# KiCad board yeti.kicad_pcb (continued)
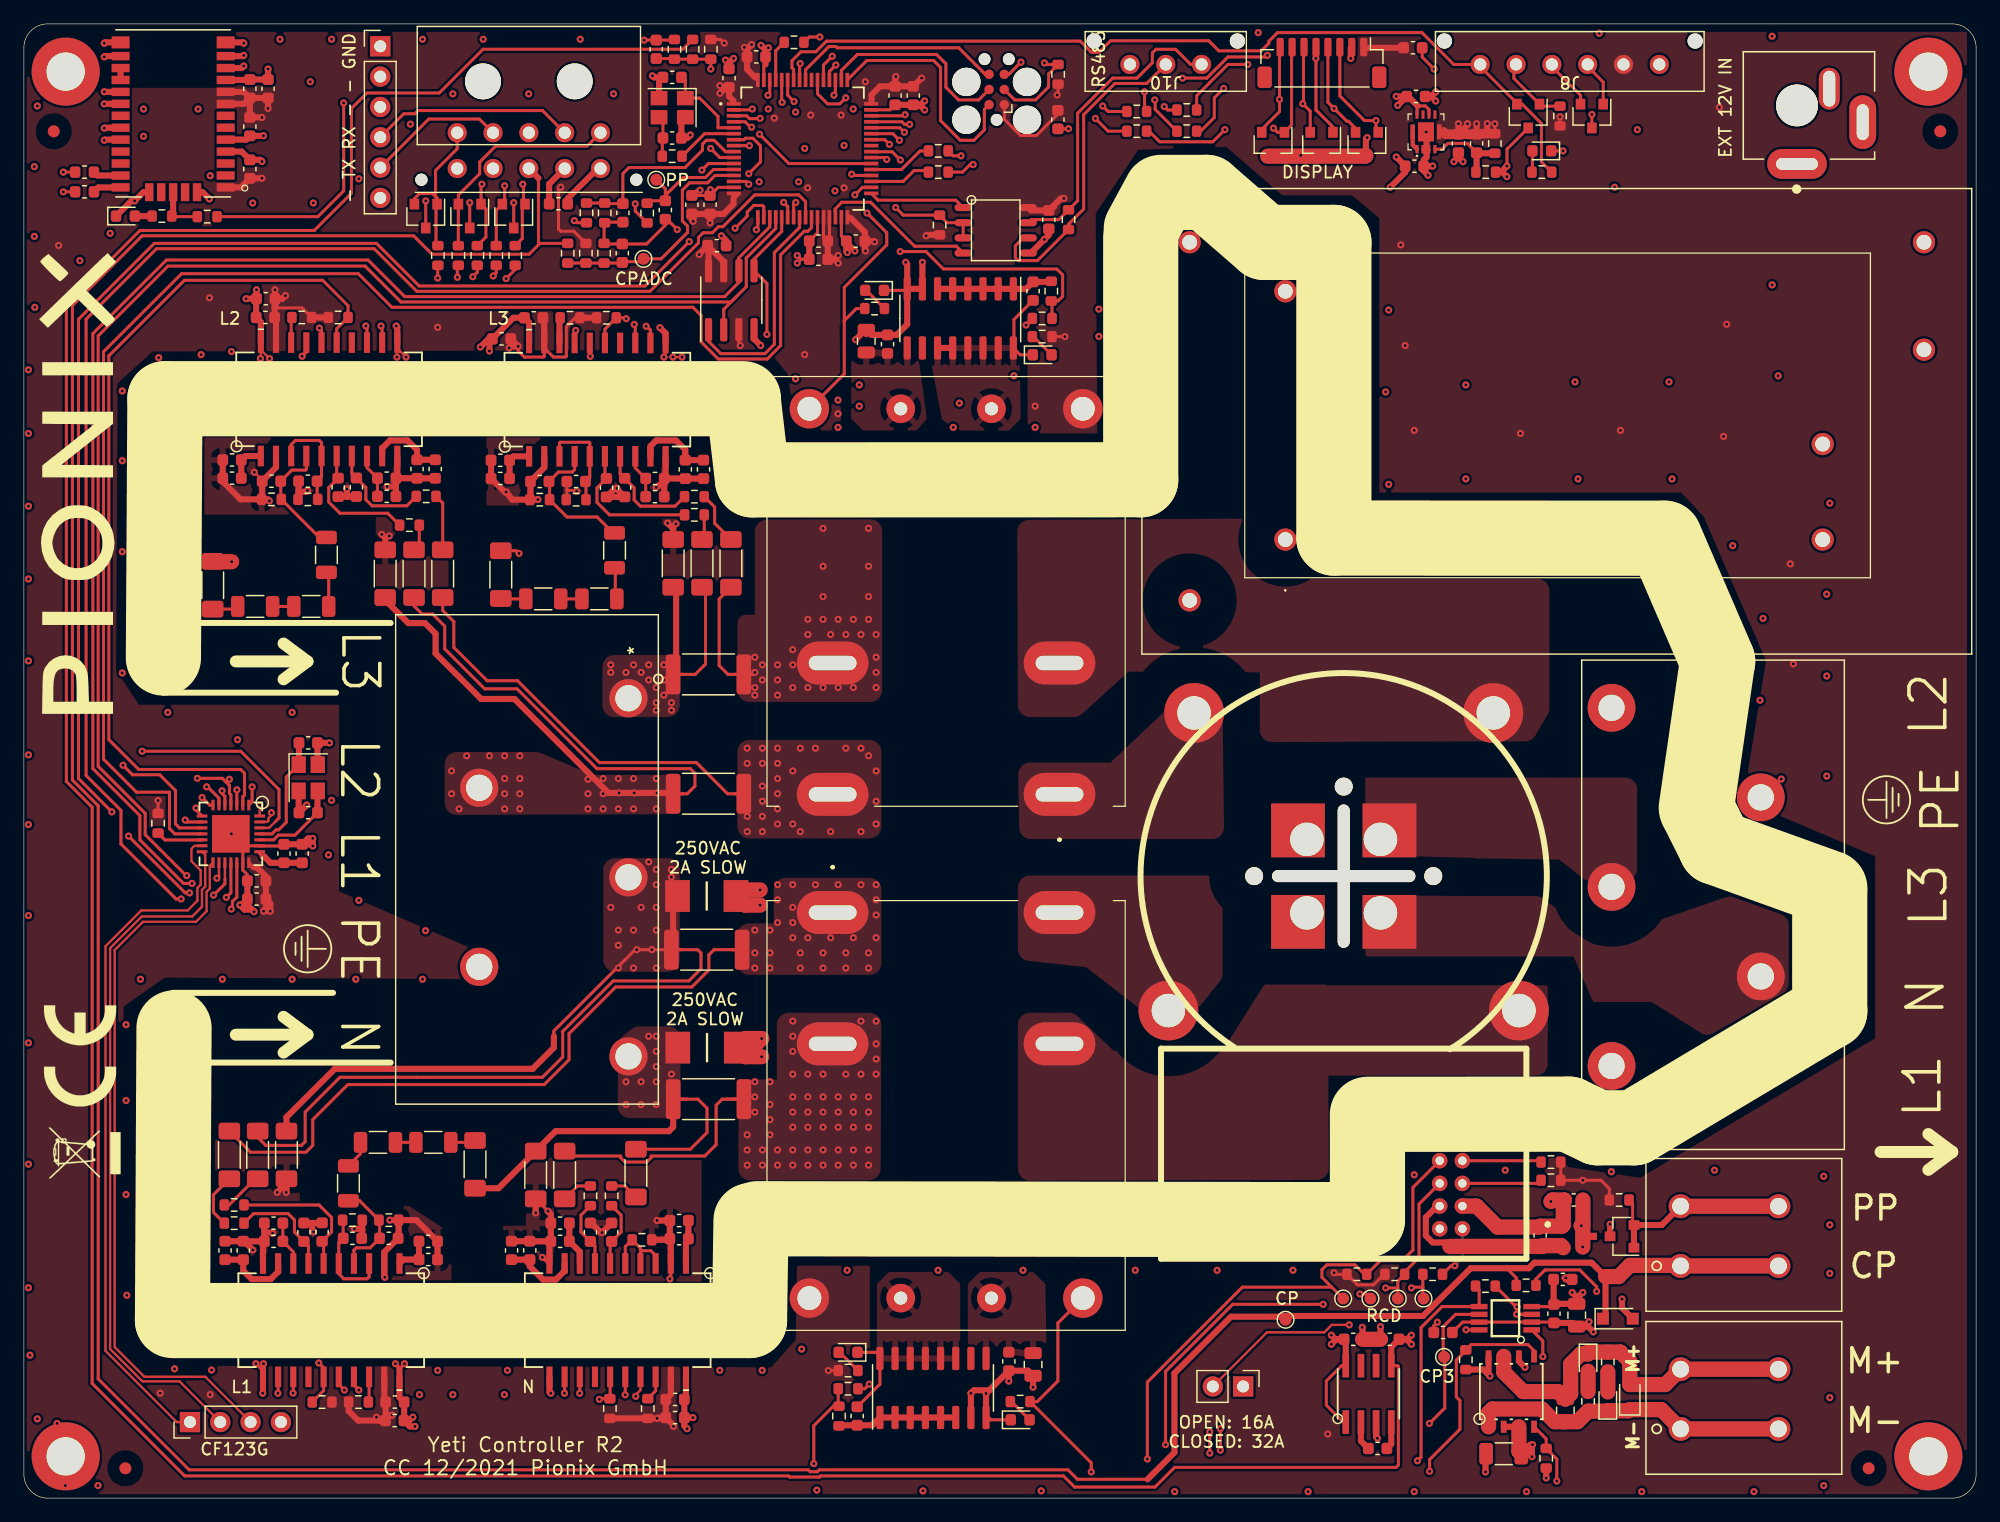
[diagram p0: board, top side]
## Routing (per net, layer and track width the routed paths; a pad name or vN(x,y) marks a point on that pad's centre or on a via; arc(x,y) is an arc through that point) (continued)
/Power Meter/Neutral AFE/DATA: length 99.1
  1_F_TOP_Signal_Pwr w0.254: U10.9 13.67,56.65 v1(13.51,56.81) ; U12.15 49.1,8.36 R49.1 48.25,8.33 v1(48.2,8.28)
  7_Signal_Pwr w0.254: v1(13.51,56.81) 6.58,49.88 6.58,11.15 11.11,6.63 11.37,6.63 12.8,5.2 22.09,5.2 23.52,6.63 28.8,6.63 30.07,5.36 45.28,5.36 v1(48.2,8.28)
/Power Meter/Neutral AFE/IM: length 5.5
  1_F_TOP_Signal_Pwr w0.254: R48.2 50.02,23.7 50.02,22.29 C22.2 49.23,21.24 49.1,21.11 U12.6
/Power Meter/Neutral AFE/IP: length 5.7
  1_F_TOP_Signal_Pwr w0.254: U12.7 47.83,21.12 C21.1 46.65,22.29 46.65,23.7 R47.2
/Power Meter/Neutral AFE/VT: length 98.7
  1_F_TOP_Signal_Pwr w0.192: U12.17 51.64,9.05 51.25,8.66 v1(51.25,8.53)
  1_F_TOP_Signal_Pwr w0.254: v1(14.42,57.81) 14.42,57.65 U10.8
  5_Signal_Pwr w0.254: v1(51.25,8.53) 50.36,7.64 31.78,7.64 31.59,7.83 30.99,7.83 30.8,7.64 10.35,7.64 7.01,10.98 7.01,49.38 13.81,56.19 13.87,56.19 14.42,56.73 v1(14.42,57.81)
/Power Meter/RESET_EN: length 189.7
  1_F_TOP_Signal_Pwr w0.254: v1(24.75,98.02) 24.93,97.84 U13.16 ; U10.3 v1(17.84,59.33) ; U14.16 47.44,96.73 v1(47.44,95.65) ; U11.16 26.37,9.53 v1(26.85,9.05) ; U12.16 50.37,8.67 v1(50.36,8.66)
  5_Signal_Pwr w0.254: v1(47.44,95.65) 46.33,95.65 44.68,97.3 23.98,97.3 ; v1(50.36,8.66) 49.34,9.67 29.61,9.67 28.29,8.35 27.55,8.35 v1(26.85,9.05) 26.42,9.48 9.28,9.48 7.54,11.22 7.54,16.5 7.45,16.58 7.45,48.95 v1(17.84,59.33) 17.84,60.61 17.21,61.23 13.14,61.23 7.05,67.33 7.05,95.27 9.08,97.3 23.98,97.3 ; 23.98,97.3 24.7,98.02 v1(24.75,98.02)
/Power Meter/SYNC: length 186.7
  1_F_TOP_Signal_Pwr w0.254: v1(29.91,98.19) 30.01,98.1 U13.12 ; U12.12 45.29,8.8 v1(45.28,8.78) ; U14.12 52.47,97.85 52.16,98.16 ; v1(16.6,59.26) 16.6,59.02 16.84,58.79 U10.5 ; v1(21.27,8.78) 21.29,8.8 U11.12
  7_Signal_Pwr w0.254: 52.16,98.16 51.05,97.05 46.74,97.05 46.71,97.02 46.04,97.02 45.76,97.3 29.02,97.3 ; 21.02,7.89 21.27,8.15 v1(21.27,8.78) ; 21.02,7.89 10.61,7.89 7.05,11.46 7.05,49.28 16.6,58.83 v1(16.6,59.26) 10.56,65.3 10.48,65.3 7.22,68.55 7.22,92.91 11.62,97.3 19.37,97.3 19.82,96.86 28.57,96.86 29.02,97.3 ; 21.02,7.89 44.9,7.89 45.28,8.28 v1(45.28,8.78) ; 29.02,97.3 v1(29.91,98.19)
  vias: v1(52.12,98.16)
/Power Supplies/L: length 100.7
  1_F_TOP_Signal_Pwr w1.27: v1(61.66,49.68) 60.4,49.68 F1.1 60.15,50.95 v1(61.66,50.95)
  7_Signal_Pwr w1.27: 101.22,96.67 97.63,100.26 PS3.2 ; 101.22,96.67 101.22,86.32 96.27,81.36 80.01,81.36 75.06,76.41 75.06,53.3 74.42,52.66 62.49,52.66 61.66,51.84 v1(61.66,49.68) ; 101.22,96.67 PS3.2
/Power Supplies/N: length 91.4
  1_F_TOP_Signal_Pwr w1.27: v1(61.79,36.98) 60.43,36.98 F2.1 60.43,38.5 v1(61.79,38.5) 60.9,37.61
  7_Signal_Pwr w1.27: 94.27,78.06 81.79,78.06 78.36,74.63 78.36,46.31 73.28,41.23 62.1,41.23 61.79,40.91 v1(61.79,38.5) v1(61.79,36.98) ; 94.27,78.06 94.78,78.06 PS3.1 ; 94.27,78.06 103.41,78.06 PS3.1
/Power Switch Relais/L1_OUT: length 0.9
  1_F_TOP_Signal_Pwr w3: K2.8 87.64,49.06
/Power Switch Relais/RELAIS1: length 7
  1_F_TOP_Signal_Pwr w0.254: C93.1 69.8,7.65 71.69,9.55 71.69,11.89 71.37,12.21 D12.1
/Power Switch Relais/RELAIS2: length 7.8
  1_F_TOP_Signal_Pwr w0.254: C91.1 82.92,98.73 82.92,96.4 U27.16 83.44,95.78 D13.1
  1_F_TOP_Signal_Pwr w0.508: U27.12 U27.11
/RCD_AC_ERROR: length 286.8
  1_F_TOP_Signal_Pwr w0.254: U29.4 116.84,24.63 116.84,20.15 115.63,18.94 R131.2 115.06,18.18 115.06,17.61 ; 115.06,17.61 v1(114.05,17.61) ; 115.06,17.61 TP3.1 ; v1(100.2,4.02) v1(100.2,5.82) ; U16.4 60.4,115.3 60.86,114.84 v1(60.94,114.84)
  5_Signal_Pwr w0.254: v1(100.2,5.82) 101.14,6.75 102.94,6.75 108.88,12.7 108.88,13.9 111.45,16.47 112.9,16.47 v1(114.05,17.61) ; v1(60.94,114.84) 58.39,114.84 55.69,112.15 55.69,109.25 51.69,105.24 35.05,105.24 32.63,102.82 10.89,102.82 4.71,96.64 4.71,11.1 11.87,3.94 62.33,3.94 64.63,6.23 92.81,6.23 95.22,3.82 96.06,3.82 96.63,4.39 99.84,4.39 v1(100.2,4.02)
/RCD_DC_ERROR: length 299.7
  1_F_TOP_Signal_Pwr w0.254: v1(61.66,115.58) 61.63,115.56 60.77,115.56 60.53,115.8 U16.3 ; R130.2 126.8,26.37 U29.3 ; TP9.1 112.4,17.1 v1(111.89,17.1) ; v1(99.31,5.54) v1(99.31,3.77)
  5_Signal_Pwr w0.254: v1(99.31,3.77) 96.64,3.77 96.24,3.37 95.04,3.37 92.62,5.79 64.82,5.79 62.52,3.49 11.69,3.49 4.26,10.91 4.26,96.82 10.7,103.26 32.31,103.26 34.8,105.75 51.56,105.75 55.12,109.3 55.12,112.34 58.36,115.58 v1(61.66,115.58) ; v1(99.31,5.54) 99.31,5.8 100.71,7.2 102.75,7.2 108.44,12.88 108.44,14.09 111.45,17.1 v1(111.89,17.1) 111.89,17.36 113.92,19.39 118.73,19.39 121.54,22.2 121.54,25.3 U29.3
/RCD_PWM: length 288.8
  1_F_TOP_Signal_Pwr w0.254: U16.38 64.07,111.8 v1(61.61,114.26) ; v1(108.82,16.24) 101.24,16.24 95.62,10.61 v1(95.62,4.48) ; v1(116.21,17.61) 116.27,17.67 117.16,17.67 ; R132.1 117.16,17.67 ; 117.16,17.67 117.16,16.78 TP8.1
  5_Signal_Pwr w0.254: v1(61.61,114.26) 61.31,113.96 60.5,113.96 58.55,112 58.55,109.29 57.77,108.51 55.58,108.51 51.74,104.67 35.11,104.67 32.82,102.37 11.07,102.37 5.16,96.45 5.16,11.28 12.06,4.38 62.15,4.38 64.45,6.68 93.42,6.68 v1(95.62,4.48)
  7_Signal_Pwr w0.254: v1(108.82,16.24) 114.83,16.24 v1(116.21,17.61)
/RCD_TEST: length 296.6
  1_F_TOP_Signal_Pwr w0.254: 109.54,17.67 108.71,18.5 108.71,19.13 109.13,19.55 111.47,19.55 112.27,18.75 112.46,18.75 113.6,19.9 115.44,19.9 116.33,20.78 116.33,26.02 U29.2 ; 109.54,17.67 102.05,17.67 94.09,9.72 v1(94.09,3.27) ; 109.54,17.67 TP4.1 ; v1(61.01,116.37) 60.94,116.3 U16.2
  5_Signal_Pwr w0.254: v1(61.01,116.37) 56.98,116.37 54.48,113.88 54.48,109.43 51.31,106.26 34.03,106.26 31.49,103.71 10.52,103.71 3.82,97.01 3.82,10.73 11.5,3.04 62.7,3.04 65,5.34 92.02,5.34 v1(94.09,3.27)
/SCK: length 120.2
  1_F_TOP_Signal_Pwr w0.2: U10.17 16.84,51.84
  1_F_TOP_Signal_Pwr w0.254: U16.19 62.47,106.49 59.88,103.91 U3.6 59.88,101.85 58.68,100.65 31.9,100.65 28.83,103.72 11.94,103.72 5.78,97.55 5.78,61.11 9.71,57.18 9.71,55.14 13.36,51.49 v1(14.08,51.49) ; 16.84,51.84 16.84,51.47 v1(15.89,50.52)
  5_Signal_Pwr w0.254: v1(14.08,51.49) 15.06,50.52 v1(15.89,50.52)
/ZC: length 87.6
  1_F_TOP_Signal_Pwr w0.192: U10.26 20.54,56.15 21.07,56.68
  1_F_TOP_Signal_Pwr w0.254: v1(9.91,62.57) 18.16,62.57 21.37,59.36 21.37,56.98 21.07,56.68 ; v1(37.59,102.32) 37.97,102.7 R2.2
  5_Signal_Pwr w0.254: v1(9.91,62.57) 6.05,66.43 6.05,95.92 9.53,99.4 26.77,99.4 26.99,99.18 27.65,99.18 27.87,99.4 34.67,99.4 v1(37.59,102.32)
Net-(C5-Pad2): length 4
  1_F_TOP_Signal_Pwr w0.254: U10.22 19.75,54 20,53.74
  1_F_TOP_Signal_Pwr w0.508: 20,53.74 20.13,53.74 20.65,53.22 C6.2 C5.2
Net-(C7-Pad2): length 11
  1_F_TOP_Signal_Pwr w0.192: 22.13,60.56 Y1.1
  1_F_TOP_Signal_Pwr w0.254: U10.25 20.78,55.65 21.12,55.99 21.35,55.99 21.97,56.61 21.97,60.4 Y1.1
  1_F_TOP_Signal_Pwr w0.508: Y1.1 23.04,61.47 C7.2
Net-(C8-Pad2): length 7.6
  1_F_TOP_Signal_Pwr w0.254: U10.24 20.91,55.15 21.31,55.54 22.7,55.54 C8.2
  1_F_TOP_Signal_Pwr w0.508: C8.2 24.59,59.22 Y1.3
Net-(C13-Pad2): length 3.7
  1_F_TOP_Signal_Pwr w0.254: C16.2 C13.2 22.56,20.63 U11.8
Net-(C14-Pad2): length 6.6
  1_F_TOP_Signal_Pwr w0.508: U11.9 21.29,18.96 20.68,18.35 19.07,18.35 18.37,19.05 C14.2 C17.2
Net-(C15-Pad2): length 3.3
  1_F_TOP_Signal_Pwr w0.508: U11.1 31.78,19.99 C15.2 C18.2
Net-(C23-Pad2): length 3.7
  1_F_TOP_Signal_Pwr w0.508: C26.2 C23.2 46.56,20.64 U12.8
Net-(C24-Pad2): length 6.4
  1_F_TOP_Signal_Pwr w0.508: C27.2 C24.2 42.37,19.42 43.48,18.31 44.56,18.31 45.29,19.04 U12.9
Net-(C25-Pad2): length 3.7
  1_F_TOP_Signal_Pwr w0.508: C28.2 C25.2 55.45,21.53 U12.1
Net-(C35-Pad2): length 3.7
  1_F_TOP_Signal_Pwr w0.254: C38.2 C35.2 28.74,86.32 U13.8
Net-(C36-Pad2): length 6.5
  1_F_TOP_Signal_Pwr w0.508: U13.9 30.01,87.95 30.66,88.61 32.13,88.61 32.93,87.81 C36.2 C39.2
Net-(C37-Pad2): length 3.3
  1_F_TOP_Signal_Pwr w0.508: C40.2 C37.2 18.54,87.3 U13.1
Net-(C47-Pad2): length 3.7
  1_F_TOP_Signal_Pwr w0.254: C50.2 C47.2 51.2,86.29 U14.8
Net-(C48-Pad2): length 7.3
  1_F_TOP_Signal_Pwr w0.508: C51.2 C48.2 55.39,87.82 54.61,88.6 52.96,88.6 52.47,88.12 U14.9 52.47,87.9
Net-(C49-Pad2): length 3.3
  1_F_TOP_Signal_Pwr w0.508: C52.2 C49.2 41.01,87.27 U14.1
Net-(C70-Pad2): length 7.5
  1_F_TOP_Signal_Pwr w0.254: U16.5 58.13,114.8 58.13,115.75 56.6,117.28 Y2.1 55.39,118.69 C70.2
Net-(C71-Pad2): length 3.4
  1_F_TOP_Signal_Pwr w0.254: R84.1 53.47,113.89 C71.2 53.52,115.35 Y2.3
Net-(C78-Pad1): length 27.4
  1_F_TOP_Signal_Pwr w1.27: C78.1 128.84,6.4 ; C78.1 130.12,6.4 R100.1 132.62,7.28 D39.1 134.4,7.32 D1.1 137.13,7.42 J4.1 J4.2 ; C78.1 128.2,6.4 127.14,7.46 122.98,7.46 122.67,7.15 U25.1
Net-(C78-Pad2): length 31.2
  1_F_TOP_Signal_Pwr w1.27: J4.4 J4.3 137.47,9.52 D1.2 134.49,11.45 133.71,12.24 R101.1 131.04,12.24 D38.1 131,12.09 130.4,12.09 129.54,11.23 129.54,8.75 C78.2 128.47,8.93 125.57,8.93 123.94,10.56 U25.7
Net-(C83-Pad2): length 7.2
  1_F_TOP_Signal_Pwr w0.254: PS1.4 118.77,113 119.26,113.49 120.89,113.49 C83.2
  1_F_TOP_Signal_Pwr w0.508: R14.2 121.72,112.66 C83.2 121.67,111.15 R15.1
Net-(C91-Pad2): length 9.8
  1_F_TOP_Signal_Pwr w0.508: U27.6 U27.5 U27.4 U27.3 U27.2 U27.1 83.93,101.3 C91.2 85.99,101.89 R28.1
Net-(C93-Pad2): length 10.1
  1_F_TOP_Signal_Pwr w0.508: U9.6 U9.2 U9.1 71.04,6.1 C93.2 68.31,6.1 R27.1
Net-(C109-Pad1): length 2.5
  1_F_TOP_Signal_Pwr w0.508: C109.1 111.98,4.78 U28.2
Net-(C109-Pad2): length 2.4
  1_F_TOP_Signal_Pwr w0.508: U28.4 114.52,4.53 C109.2
Net-(D2-Pad1): length 8.2
  1_F_TOP_Signal_Pwr w0.254: v1(38.36,110.07) 38.29,110 D2.1 38.7,107.99 38.7,105.64 R2.1
  7_Signal_Pwr w0.254: U1.5 37.61,110.07 v1(38.36,110.07)
Net-(D2-Pad2): length 18.9
  1_F_TOP_Signal_Pwr w0.254: D2.2 36.39,109.16 38.17,110.94 38.17,111.92 39.52,113.26 47.17,113.26 U1.6 ; R3.1 36.39,108.4
Net-(D3-Pad1): length 28.6
  1_F_TOP_Signal_Pwr w0.254: D3.1 41.84,108.53 41.84,110 v1(41.78,110.07) ; 41.74,108.17 41.74,105.51 R4.1 ; J6.4 31.82,115.97 32.74,115.97 33,116.24 43.44,116.24 U1.7
  7_Signal_Pwr w0.254: U1.7 44.17,113.26 44.17,111.61 42.63,110.07 v1(41.78,110.07)
Net-(D3-Pad2): length 22
  1_F_TOP_Signal_Pwr w0.254: v1(40.26,109.94) 40.26,108.59 D3.2 39.56,107.89 R5.1 ; U1.9 38.15,115.53 33.91,115.53 J6.5
  7_Signal_Pwr w0.254: U1.9 40.53,113.14 40.53,110.21 v1(40.26,109.94)
Net-(D4-Pad1): length 12.5
  1_F_TOP_Signal_Pwr w0.254: D4.1 34.61,108.91 34.48,109.03 ; D4.2 32.71,108.86 33.13,109.29 34.23,109.29 34.48,109.03 ; 34.48,109.03 34.48,111.23 36.29,113.04 U1.10 ; 34.52,105.08 34.52,108.31
Net-(D5-Pad1): length 46.6
  1_F_TOP_Signal_Pwr w0.254: J7.3 110.21,117.46 112.27,115.4 v1(113.24,115.4) 113.24,114.61 ; 77.41,111.08 78.61,111.08 79.38,111.84 v1(79.5,111.72)
  5_Signal_Pwr w0.254: v1(79.5,111.72) 89.03,111.72 92.46,115.15 95.76,115.15 96.14,115.53 106.94,115.53 106.95,115.52 107.69,115.52 107.69,115.53 113.11,115.53 v1(113.24,115.4)
Net-(D5-Pad2): length 42.2
  1_F_TOP_Signal_Pwr w0.254: v1(78.49,112.45) 77.82,112.45 77.41,112.86 ; J7.4 109.21,116.93 v1(109.73,116.41) 110.8,115.34 110.94,115.34 111.53,114.75
  5_Signal_Pwr w0.254: v1(109.73,116.41) 109.59,116.27 109.59,116.24 107.76,116.24 107.76,116.23 107.5,115.97 107.13,115.97 106.86,116.24 96.09,116.24 95.63,115.78 92.23,115.78 88.9,112.45 v1(78.49,112.45)
Net-(D6-Pad1): length 20.7
  1_F_TOP_Signal_Pwr w0.254: 109.63,114.87 108.21,116.29 J7.5 108.21,120.62 v1(108.21,120.61) ; v1(102.5,120.1) 100.84,120.1 99.28,118.54 99.28,118.54 98.22,117.48 R9.1
  5_Signal_Pwr w0.254: v1(108.21,120.61) 107.7,120.1 v1(102.5,120.1)
Net-(D6-Pad2): length 19.7
  1_F_TOP_Signal_Pwr w0.254: v1(100.49,118.09) 99.7,117.31 99.7,115.65 98.55,114.51 R10.1 ; D6.2 107.73,116.18 v1(107.11,116.81) ; J7.6 107.17,121.5 107.17,116.75
  5_Signal_Pwr w0.254: v1(107.11,116.81) 105.8,118.12 102.56,118.12 102.13,117.69 100.94,117.69 100.51,118.12 v1(100.49,118.09)
Net-(D7-Pad1): length 19.9
  1_F_TOP_Signal_Pwr w0.254: R11.1 94.24,114.51 95.12,113.62 99.57,113.62 v1(100.59,114.64) ; J7.7 106.17,121.5 106.17,115.02 D7.1 104.99,114.42 v1(104.65,114.77)
  5_Signal_Pwr w0.254: v1(100.59,114.64) 100.71,114.77 v1(104.65,114.77)
Net-(D7-Pad2): length 21.1
  1_F_TOP_Signal_Pwr w0.254: J7.8 105.16,121.5 105.16,116.15 103.67,114.66 D7.2 ; R12.1 93.85,116.34 v1(93.85,117.81)
  5_Signal_Pwr w0.254: v1(93.85,117.81) 95.63,117.81 96.27,117.18 v1(105.16,117.18)
Net-(D10-Pad2): length 2.2
  1_F_TOP_Signal_Pwr w0.254: R31.1 70.55,101.18 D10.2
Net-(D11-Pad2): length 2.2
  1_F_TOP_Signal_Pwr w0.254: D11.2 82.7,8.09 R32.1
Net-(D12-Pad2): length 2.2
  1_F_TOP_Signal_Pwr w0.254: R33.2 68.33,12.21 D12.2
Net-(D13-Pad2): length 2.2
  1_F_TOP_Signal_Pwr w0.254: D13.2 84.54,97.3 R115.2
Net-(D15-Pad2): length 1.4
  1_F_TOP_Signal_Pwr w0.508: R13.1 D15.2
Net-(D36-Pad2): length 1.8
  1_F_TOP_Signal_Pwr w0.254: D36.2 126.34,111.12 R93.1
Net-(D38-Pad2): length 1.7
  1_F_TOP_Signal_Pwr w1.27: D38.2 R100.2
Net-(D39-Pad2): length 1.7
  1_F_TOP_Signal_Pwr w1.27: R101.2 D39.2
Net-(FB1-Pad1): length 2.1
  1_F_TOP_Signal_Pwr w0.254: R37.2 37.62,29.8 FB1.1
Net-(FB2-Pad1): length 4.6
  1_F_TOP_Signal_Pwr w0.254: R40.1 15.88,23.94 15.88,25.42 FB2.1
Net-(FB4-Pad1): length 3.7
  1_F_TOP_Signal_Pwr w0.254: R41.1 17.19,24.56 19.38,26.75 FB4.1
Net-(FB5-Pad1): length 2.6
  1_F_TOP_Signal_Pwr w0.254: FB5.1 46.37,26.15 R47.1
Net-(FB7-Pad1): length 2.4
  1_F_TOP_Signal_Pwr w0.254: R48.1 50.34,26.15 FB7.1
Net-(FB8-Pad1): length 2.2
  1_F_TOP_Signal_Pwr w0.254: R52.2 17.68,74.47 FB8.1
Net-(FB9-Pad1): length 4.7
  1_F_TOP_Signal_Pwr w0.254: R55.1 35.07,83.36 FB9.1
Net-(FB11-Pad1): length 2.2
  1_F_TOP_Signal_Pwr w0.254: FB11.1 33.12,79.89 R56.1
Net-(FB12-Pad1): length 1.9
  1_F_TOP_Signal_Pwr w0.254: R62.2 40.23,75.33 40.2,75.36
Net-(FB13-Pad1): length 4.5
  1_F_TOP_Signal_Pwr w0.254: FB13.1 57.85,81.67 57.85,83.03 R65.1
Net-(FB15-Pad1): length 2.1
  1_F_TOP_Signal_Pwr w0.254: R66.1 56.98,80.5 FB15.1
Net-(FB16-Pad1): length 2.4
  1_F_TOP_Signal_Pwr w0.508: FB16.1 6.24,109.8 U4.26
Net-(FB17-Pad2): length 2.3
  1_F_TOP_Signal_Pwr w0.508: FB17.2 6.15,110.8 U4.25
Net-(J10-Pad2): length 26.8
  1_F_TOP_Signal_Pwr w0.254: J10.2 94.04,118.51 91.37,118.51 88.76,115.9 88.76,107.98 87.49,106.71 R82.1 84.88,103.67 83.28,103.67 83.03,103.91 83.03,104.92 83.69,105.57 U20.6
Net-(J10-Pad3): length 25.8
  1_F_TOP_Signal_Pwr w0.254: U20.7 84.38,107.1 86.67,107.1 R82.2 88.25,108.68 88.25,116.02 91.19,118.96 93.22,118.96 94.51,120.25 94.51,121.07 94.81,121.37 96.45,121.37 97.72,120.1 J10.3
Net-(PS1-Pad1): length 1.6
  1_F_TOP_Signal_Pwr w0.35: PS1.9 116.31,113.36 PS1.1
Net-(R16-Pad1): length 61.9
  1_F_TOP_Signal_Pwr w0.254: R16.1 24.62,107.35 26.78,109.51 v1(26.78,116.88) ; U16.57 64.97,120.13 v1(65.01,120.18)
  7_Signal_Pwr w0.254: v1(26.78,116.88) 27.62,117.71 33.08,117.71 36.05,120.69 55.36,120.69 57.26,122.59 62.6,122.59 v1(65.01,120.18)
Net-(R17-Pad1): length 3.4
  1_F_TOP_Signal_Pwr w0.254: R17.1 62.97,121.25 U16.61
Net-(R35-Pad2): length 3.9
  1_F_TOP_Signal_Pwr w0.254: U10.12 14.91,55.14 11.81,55.14 R35.2
Net-(R37-Pad1): length 1.7
  1_F_TOP_Signal_Pwr w0.254: R38.2 R37.1
Net-(R38-Pad1): length 2.4
  1_F_TOP_Signal_Pwr w0.254: R39.2 28.19,28.85 R38.1
Net-(R45-Pad1): length 2.1
  1_F_TOP_Signal_Pwr w0.254: U11.18 28.91,8.11 R45.1
Net-(R50-Pad1): length 2.1
  1_F_TOP_Signal_Pwr w0.254: R50.1 52.91,8.99 U12.18
Net-(R52-Pad1): length 1.8
  1_F_TOP_Signal_Pwr w0.254: R52.1 R53.2
Net-(R53-Pad1): length 2.9
  1_F_TOP_Signal_Pwr w0.254: R53.1 25.53,77.36 R54.2
Net-(R60-Pad1): length 2.1
  1_F_TOP_Signal_Pwr w0.254: R60.1 22.39,98.84 U13.18
Net-(R62-Pad1): length 1.6
  1_F_TOP_Signal_Pwr w0.254: 46.61,75.33 44.96,75.33
Net-(R63-Pad1): length 2.7
  1_F_TOP_Signal_Pwr w0.254: 49.53,75.33 49.53,77.74 49.34,77.93
Net-(R70-Pad1): length 2.1
  1_F_TOP_Signal_Pwr w0.508: R70.1 44.85,98.82 U14.18
Net-(R72-Pad2): length 19.4
  1_F_TOP_Signal_Pwr w0.254: R72.2 126.63,18.35 127.4,19.12 130.3,19.12 131.71,17.71 v1(131.71,17.32) ; U15.1 127.21,13.16 v1(127.21,11.85)
  7_Signal_Pwr w0.254: v1(131.71,17.32) 132.48,16.56 132.48,13.89 130.44,11.85 v1(127.21,11.85)
Net-(R84-Pad2): length 5.1
  1_F_TOP_Signal_Pwr w0.254: U16.6 57,114.3 R84.2
Net-(R129-Pad2): length 6.6
  1_F_TOP_Signal_Pwr w0.254: R129.2 126.95,28.27 U29.1
Net-(R132-Pad2): length 4.7
  1_F_TOP_Signal_Pwr w0.254: v1(119.84,19.47) 119.52,19.47 R132.2
  8_B_BOTTOM_GND w0.254: v1(119.84,19.47) 120.47,20.1 U29.7

## Copper pours and planes (outline as drawn; the poured copper is in the pictures)
+3V3 on 1_F_TOP_Signal_Pwr: 162.74,0.33 0.24,0.33 0.24,122.83 162.74,122.83 ; 1 cut-out
+3V3 on 3_VCC3V3, 5_Signal_Pwr, 7_Signal_Pwr: 162.75,0.32 0.25,0.32 0.25,122.82 162.75,122.82 ; 1 cut-out
+12V on 1_F_TOP_Signal_Pwr: 75.76,89.43 69.28,89.43 69.28,96.54 74.61,97.81
+12V on 1_F_TOP_Signal_Pwr: 85.66,11.45 81.47,11.58 81.47,10.43 79.06,10.43 79.06,18.94 85.54,18.94
/Power Meter/AFE_A/AGND_ADC on 1_F_TOP_Signal_Pwr: 23.11,24.47 32.26,24.47 35.81,22.18 35.81,18.25 16,18.25 16,31.71 23.11,31.71
/Power Meter/AFE_A/AGND_ADC on 2_GND: 24.13,24.47 32.26,24.47 36.83,22.18 36.83,18.25 16,18.25 16,36.03 24.13,36.03
/Power Meter/AFE_A/AGND_ADC on 5_Signal_Pwr: 24.13,24.47 32.26,24.47 36.83,22.18 36.83,18.25 16,18.25 16,36.03 24.13,36.03
/Power Meter/AFE_B/AGND_ADC on 1_F_TOP_Signal_Pwr: 35.56,73.62 29.47,73.62 29.47,82.38 15.11,82.38 15.11,88.86 35.56,88.86
/Power Meter/AFE_B/AGND_ADC on 2_GND: 36.96,73.62 29.47,73.62 29.47,81.11 15.11,81.11 15.11,88.73 36.96,88.73
/Power Meter/AFE_B/AGND_ADC on 5_Signal_Pwr: 36.96,73.62 29.47,73.62 29.47,81.11 15.11,81.11 15.11,88.73 36.96,88.73
/Power Meter/AFE_C/AGND_ADC on 1_F_TOP_Signal_Pwr: 57.79,83.9 60.33,81.75 60.33,74.25 53.47,74.25 53.47,83.14 38.74,83.14 38.74,88.86 57.41,88.86
/Power Meter/AFE_C/AGND_ADC on 2_GND: 57.79,83.4 60.96,81.62 60.96,73.62 52.2,73.62 52.2,82 38.74,82 38.74,88.73 57.28,88.86
/Power Meter/AFE_C/AGND_ADC on 5_Signal_Pwr: 57.79,83.4 60.96,81.62 60.96,73.62 52.2,73.62 52.2,82 38.74,82 38.74,88.73 57.28,88.86
/Power Meter/Neutral AFE/AGND_ADC on 1_F_TOP_Signal_Pwr: 56.77,18.12 40.13,18.25 40.13,22.82 42.04,22.82 42.04,30.06 56.77,30.06
/Power Meter/Neutral AFE/AGND_ADC on 2_GND: 57.53,18.12 38.74,18.25 38.74,22.82 40.64,22.82 40.64,32.22 57.53,32.22
/Power Meter/Neutral AFE/AGND_ADC on 5_Signal_Pwr: 57.53,18.12 38.74,18.25 38.74,22.82 40.64,22.82 40.64,32.22 57.53,32.22
GND on 8_B_BOTTOM_GND, 2_GND, 4_GND, 6_GND: 163.25,-0.18 -0.25,-0.18 -0.25,123.32 163.25,123.32 ; 1 cut-out
GND on 3_VCC3V3: 57.28,93.43 57.28,88.86 57.79,83.4 60.96,81.62 60.96,73.62 52.2,73.62 52.2,82 36.96,82 36.96,73.62 29.47,73.62 29.47,82.38 15.11,82.38 15.11,88.73 18.42,93.43
GND on 3_VCC3V3: 24.13,24.47 40.64,24.47 40.64,32.22 57.53,32.22 57.53,18.12 56.9,15.32 16,15.58 16,36.03 24.13,36.03
GND on 3_VCC3V3: 56.58,5.16 54.48,5.16 54.48,7.07 33.66,7.07 33.66,5.16 30.99,5.16 30.99,7.07 24.45,7.07 24.45,5.16 20.58,5.16 20.58,7.7 12.38,10.5 16.13,17.74 24.51,17.74 25.91,15.96 28.45,15.83 56.58,15.58
GND on 3_VCC3V3: 20.19,99.53 32,99.53 32,97.11 39.37,97.11 39.37,95.72 42.17,95.72 42.17,99.65 54.61,99.65 54.61,92.79 18.42,92.79 18.42,101.43 20.19,101.43
GND on 4_GND: 56.9,4.91 54.36,4.91 54.36,6.94 33.78,6.94 33.78,5.04 30.86,5.04 30.86,6.94 24.51,6.94 24.51,5.04 20.45,5.04 20.45,7.58 12.19,10.24 12.19,11.64 22.61,12.02 22.86,14.18 26.67,13.93 27.05,11.9 56.9,11.64
GND on 4_GND: 24.13,24.47 40.64,24.47 40.64,32.22 57.53,32.22 57.53,18.12 56.9,11.51 16,11.77 16,36.03 24.13,36.03
GND on 4_GND: 20.19,99.53 32,99.53 32,97.11 39.37,97.11 39.37,95.84 42.17,95.84 42.17,99.65 54.61,99.65 54.61,92.79 18.42,92.79 18.42,101.43 20.19,101.43
GND on 4_GND: 20.19,99.53 32,99.53 32,95.72 57.28,95.72 57.28,88.86 57.79,83.4 60.96,81.62 60.96,73.62 52.2,73.62 52.2,82 36.96,82 36.96,73.62 29.47,73.62 29.47,82.38 15.11,82.38 15.11,88.73 18.42,95.97 18.42,101.43 20.19,101.43
/EVSE Charging port/L1_IN on 8_B_BOTTOM_GND: 108.85,50.46 108.85,45.26 111.27,42.97 104.03,42.46 102.25,42.72 102.25,50.59 102.5,50.59
/EVSE Charging port/L1_IN on 8_B_BOTTOM_GND: 135.88,35.34 102.31,35.36 102.19,50.58 108.27,50.5 109.22,44.92 117.41,44.79 117.22,50.41 141.16,50.52
/EVSE Charging port/L1_IN on 5_Signal_Pwr: 109.98,45.3 112.14,43.64 104.52,41.61 104.52,50.5 109.98,50.5
/EVSE Charging port/L1_IN on 5_Signal_Pwr, 6_GND, 7_Signal_Pwr: 140.19,38.14 135.49,35.47 101.2,35.22 101.24,50.5 108.27,50.5 109.22,44.92 117.41,44.79 117.22,51.36 140.19,51.47
/EVSE Charging port/L2_IN on 8_B_BOTTOM_GND: 114.19,61.26 109.11,61.26 108.85,56.18 104.54,56.18 104.54,58.08 106.19,64.18 113.55,65.07
/EVSE Charging port/L2_IN on 8_B_BOTTOM_GND: 138.41,69.76 137.53,64.17 136.51,57.69 138.43,53.68 104.54,53.77 104.52,76.79 135.26,76.92
/EVSE Charging port/L2_IN on 5_Signal_Pwr, 6_GND, 7_Signal_Pwr: 113.54,67.14 113.16,60.03 109.86,60.03 109.86,53.55 104.52,53.55 104.52,67.39
/EVSE Charging port/L2_IN on 5_Signal_Pwr, 6_GND, 7_Signal_Pwr: 138.41,69.63 137.4,63.03 136.64,57.57 138.43,53.68 104.49,53.36 104.52,76.79 135.26,76.92
/EVSE Charging port/L3_IN on 1_F_TOP_Signal_Pwr: 121.92,53.61 112.33,53.87 112.33,60.36 127.75,60.36 135.11,58.33
/EVSE Charging port/L3_IN on 1_F_TOP_Signal_Pwr: 135.11,60.36 135.11,51.72 130.79,51.72 128.59,53.49 112.33,53.74 112.33,60.35
/EVSE Charging port/L3_IN on 2_GND, 3_VCC3V3, 4_GND: 130.29,53.63 112.13,53.76 112.14,63.08 130.62,63.08
/EVSE Charging port/L3_IN on 2_GND, 3_VCC3V3, 4_GND: 129.03,60.16 130.56,63.08 132.97,63.08 135.75,58.84 135.75,51.34 134.48,49.82 131.05,51.34 128.64,53.63 116.59,53.68 116.59,53.74 112.14,53.68 112.78,58.25
/EVSE Charging port/N_IN on 1_F_TOP_Signal_Pwr: 121.48,50.44 129.05,47.86 139.05,41.56 131.43,41.56 129.78,45.38 112.38,45.38 112.14,50.5
/EVSE Charging port/N_IN on 1_F_TOP_Signal_Pwr: 147.81,42.58 140.96,38.64 129.27,46.01 112.33,46.26 112.33,50.44 120.46,50.44 126.86,50.45 130.67,47.79 135.49,47.92 142.86,50.45 147.81,48.68
/EVSE Charging port/N_IN on 2_GND, 3_VCC3V3, 4_GND: 135.11,40.93 128.89,40.93 128.51,43.77 112.14,43.77 112.14,47.07 128.91,48.28
/EVSE Charging port/N_IN on 2_GND, 3_VCC3V3, 4_GND: 120.65,46.76 112.14,46.06 112.14,51.14 117.73,51.14 118.75,51.07 120.65,51.07
/EVSE Charging port/N_IN on 2_GND, 3_VCC3V3, 4_GND: 148.07,42.58 140.32,38.01 132.57,41.31 132.19,44.11 127.75,46.64 112.14,47.01 112.14,51.26 125.97,51.29 127.24,51.09 128.25,50.07 131.81,46.64 148.07,46.64
/Power Meter/L1_IN on 1_F_TOP_Signal_Pwr: 54.93,44.09 48.52,44.09 48.52,53.61 54.93,53.61
/Power Meter/L1_IN on 8_B_BOTTOM_GND: 54.93,44.09 49.53,44.09 49.66,48.6 48.52,50.25 48.52,53.61 54.93,53.61
/Power Meter/L1_IN on 2_GND: 54.93,44.09 46.24,44.04 46.24,54.6 54.93,54.66
/Power Meter/L1_IN on 3_VCC3V3: 54.93,44.09 46.24,44.04 46.24,54.6 54.93,54.66
/Power Meter/L1_IN on 4_GND: 54.93,44.09 46.24,44.05 46.22,54.64 54.9,54.67
/Power Meter/L1_IN on 5_Signal_Pwr: 54.93,44.09 46.24,44.04 46.24,54.6 54.93,54.66
/Power Meter/L1_IN on 6_GND: 54.93,44.09 46.24,44.04 46.24,54.6 54.93,54.66
/Power Meter/L1_IN on 7_Signal_Pwr: 54.93,44.09 49.53,44.09 49.66,48.6 48.52,50.25 48.52,53.61 54.93,53.61
/Power Meter/L1_OUT on 1_F_TOP_Signal_Pwr: 71.82,43.84 59.75,43.84 59.75,48.15 62.8,48.15 62.8,51.96 71.82,51.96
/Power Meter/L1_OUT on 8_B_BOTTOM_GND: 71.82,43.84 59.75,43.84 59.75,48.15 62.8,48.15 62.8,51.77 71.82,51.77
/Power Meter/L1_OUT on 2_GND: 71.96,43.23 59.9,43.23 59.75,48.15 62.8,48.15 62.8,52.62 71.82,52.62
/Power Meter/L1_OUT on 3_VCC3V3: 71.96,43.23 59.9,43.23 59.75,48.15 62.8,48.15 62.8,52.62 71.82,52.62
/Power Meter/L1_OUT on 4_GND: 71.96,43.23 59.9,43.23 59.75,48.15 62.8,48.15 62.8,52.62 71.82,52.62
/Power Meter/L1_OUT on 5_Signal_Pwr: 71.96,43.23 59.9,43.23 59.75,48.15 62.8,48.15 62.8,52.62 71.82,52.62
/Power Meter/L1_OUT on 6_GND: 71.96,43.23 59.9,43.23 59.75,48.15 62.8,48.15 62.8,52.62 71.82,52.62
/Power Meter/L1_OUT on 7_Signal_Pwr: 71.82,43.84 59.75,43.84 59.75,48.15 62.8,48.15 62.8,51.96 71.82,51.96
/Power Meter/L2_IN on 1_F_TOP_Signal_Pwr: 47.56,60.6 54.93,60.6 54.93,57.3 35.24,57.23 35.24,62.5 43.09,62.5
/Power Meter/L2_IN on 8_B_BOTTOM_GND: 47.51,61.77 54.88,61.77 54.93,57.3 46.99,57.27 46.99,60.84
/Power Meter/L2_IN on 8_B_BOTTOM_GND: 41.78,56.65 35.24,56.73 35.23,63.47 41.77,63.37
/Power Meter/L2_IN on 2_GND: 54.88,63.42 54.9,56.72 35.3,56.66 35.32,63.42
/Power Meter/L2_IN on 3_VCC3V3: 54.88,63.42 54.93,56.72 35.24,56.66 35.34,63.42
/Power Meter/L2_IN on 4_GND: 54.88,63.42 54.93,56.72 35.24,56.66 35.34,63.42
/Power Meter/L2_IN on 5_Signal_Pwr: 54.88,63.42 54.93,56.72 35.24,56.66 35.34,63.42
/Power Meter/L2_IN on 6_GND: 54.88,63.42 54.93,56.72 35.24,56.66 35.21,63.42
/Power Meter/L2_IN on 7_Signal_Pwr: 54.88,63.42 54.93,56.72 35.24,56.66 35.34,63.42
/Power Meter/L2_OUT on 1_F_TOP_Signal_Pwr: 71.82,55.27 59.75,55.27 59.75,63.52 71.82,63.52
/Power Meter/L2_OUT on 8_B_BOTTOM_GND: 71.82,55.27 59.75,55.27 59.75,63.52 71.82,63.52
/Power Meter/L2_OUT on 2_GND: 71.96,54.66 59.9,54.66 59.75,64.18 71.82,64.18
/Power Meter/L2_OUT on 3_VCC3V3: 71.82,54.66 59.75,54.66 59.75,64.18 71.82,64.18
/Power Meter/L2_OUT on 4_GND: 71.82,54.66 59.75,54.66 59.75,64.18 71.82,64.18
